# Altium PCB RV901-cnc-flipped.PcbDoc (part 3 of 4)
Units mil, origin at the board's own origin, x right, y up, seen from the top; angles counter-clockwise.
Board outline 5760 x 3629.92 mil, 4 copper layers (Top Layer, Layer 1, Layer 2, Bottom Layer), stack 72.18 mil thick; 387 components, 259 nets, 1192 pads, 558 vias.
Unrouted connection lines stored in the file: 53.
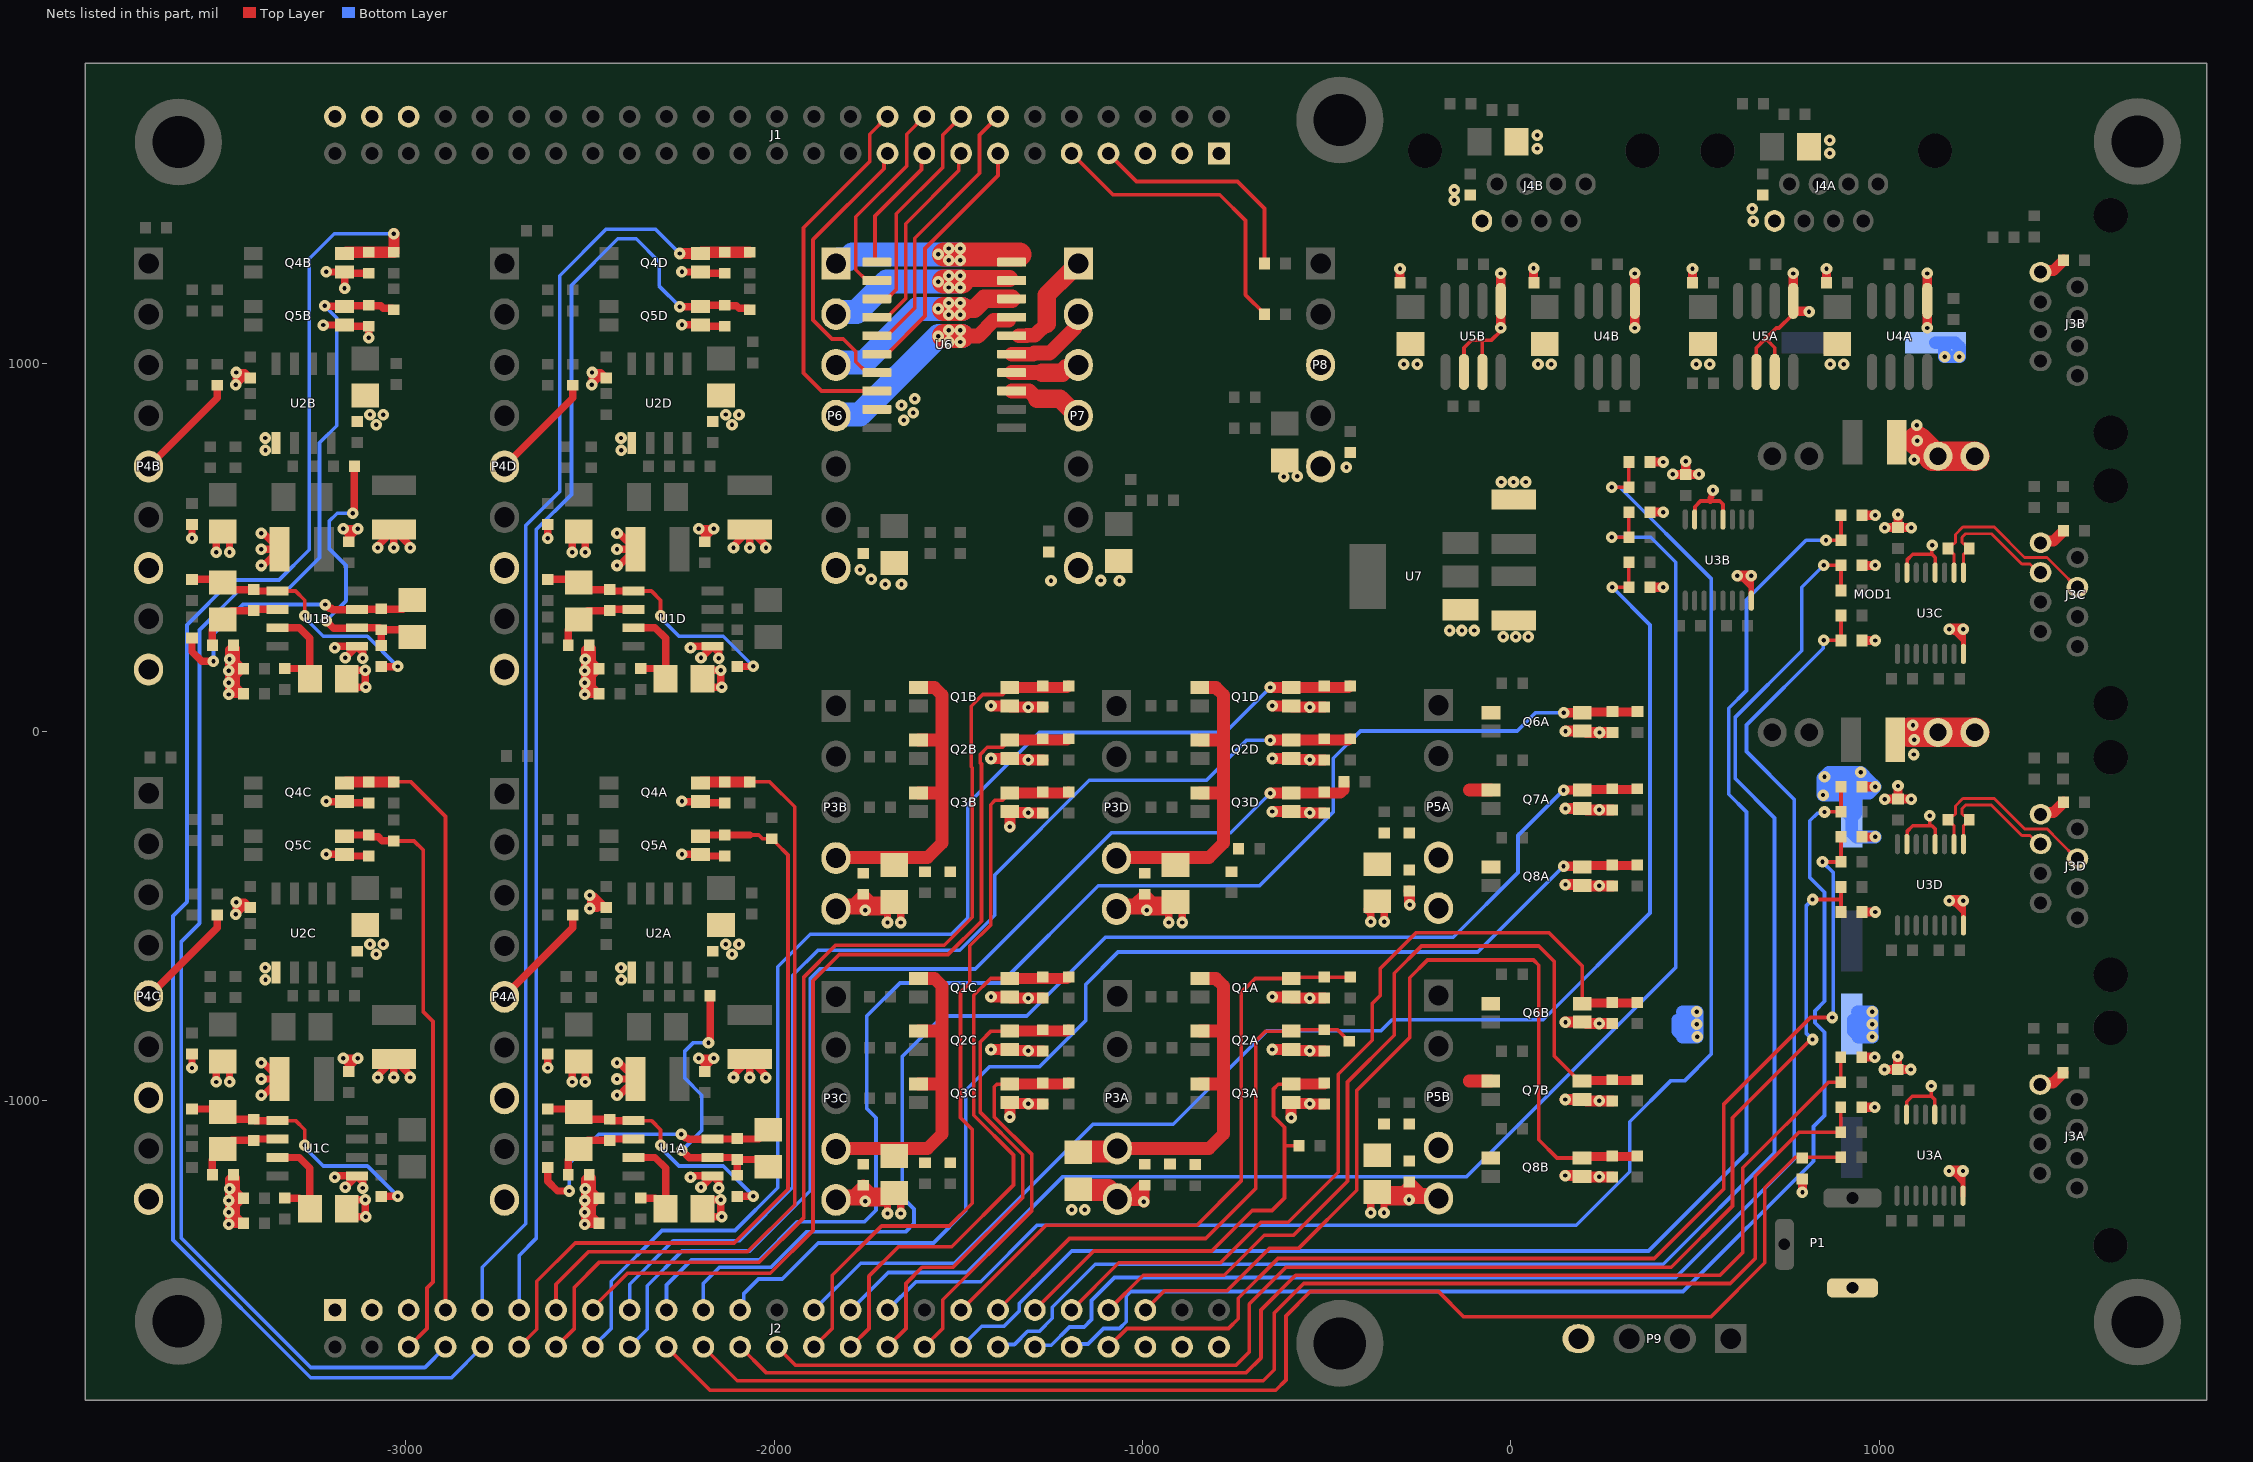
[diagram p5: the nets of this part, all layers, seen from the top]

## Via types
v1: diameter 31.5, hole 11.81, Top Layer to Bottom Layer, tented both sides, 558 vias

## Nets (pads, with @x,y where several pads share a name; then routed paths per layer and width w, separated by ;. In a path a pad name is that pad's centre, name@x,y a point inside that pad or via, vN(x,y) a via of type N, cw(c..) or ccw(c..) an arc to the next point about the centre after c; other vN are vias at no path point) (continued)
ENC_3C_N: J3C.6 R35C.2 U3C.9 | length 373.8
  Top Layer w8: U3C.9@1228.95,431.73 1228.95,481.75 R35C.2@1244.7,497.5 1244.7,498.48 1233.94,509.24 1229.84,509.24 1225.16,513.93 1225.16,527.81 1234.84,537.5 1305.39,537.5 1387.61,455.27 1409.86,455.27 1432.61,432.51 J3C.6@1438.39,432.51
ENC_3C_P: J3C.5 R35C.1 U3C.10 | length 527.8
  Top Layer w8: U3C.10@1203.36,431.73 1203.36,481.75 R35C.1@1187.61,497.5 1187.61,498.48 1198.38,509.24 1202.47,509.24 1207.16,513.93 1207.16,535.27 1227.39,555.5 1312.84,555.5 1395.07,473.27 1455.54,473.27 1488.29,440.53 ; 1488.29,440.49 1536.42,392.35 J3C.5@1538.39,392.35
ENC_3D_N: J3D.6 R35D.2 U3D.9 | length 373.8
  Top Layer w8: U3D.9@1228.95,-305.27 1228.95,-255.25 R35D.2@1244.7,-239.5 1244.7,-238.52 1233.94,-227.76 1229.84,-227.76 1225.16,-223.07 1225.16,-209.19 1234.84,-199.5 1305.39,-199.5 1387.61,-281.73 1409.86,-281.73 1432.61,-304.49 J3D.6@1438.39,-304.49
ENC_3D_P: J3D.5 R35D.1 U3D.10 | length 527.8
  Top Layer w8: U3D.10@1203.36,-305.27 1203.36,-255.25 R35D.1@1187.61,-239.5 1187.61,-238.52 1198.38,-227.76 1202.47,-227.76 1207.16,-223.07 1207.16,-201.73 1227.39,-181.5 1312.84,-181.5 1395.07,-263.73 1455.54,-263.73 1488.29,-296.47 ; 1488.29,-296.51 1536.42,-344.65 J3D.5@1538.39,-344.65
ERR_BA: P4A.5 R29A.1 | length 297.6
  Top Layer w20: P4A.5@-2732.09,-717.91 -2546.09,-531.91 R29A.1@-2546.09,-497.36
ERR_BB: P4B.5 R29B.1 | length 297.6
  Top Layer w20: P4B.5@-3698.06,720.09 -3512.06,906.09 R29B.1@-3512.06,940.64
ERR_BC: P4C.5 R29C.1 | length 297.6
  Top Layer w20: P4C.5@-3698.06,-717.91 -3512.06,-531.91 R29C.1@-3512.06,-497.36
ERR_BD: P4D.5 R29D.1 | length 297.6
  Top Layer w20: P4D.5@-2732.09,720.09 -2546.09,906.09 R29D.1@-2546.09,940.64
ESTOP_VCCA: C2A.1 C3A.1 P3A.4 Q1A.1 Q2A.1 Q3A.1 R10A.2 R11A.1 | length 1019
  Top Layer w35: P3A.4@-1068.06,-1131.39 -819.45,-1131.39 -780.06,-1092 -780.06,-956 ; Q3A.1@-844.06,-956.82 -780.88,-956.82 -780.06,-956 ; Q2A.1@-844.06,-812.82 -784.88,-812.82 -780.06,-808 ; Q1A.1@-844.08,-669.82 -843.86,-670.04 -800.57,-670.04 -780.06,-690.54 -780.06,-808 ; -780.06,-956 -780.06,-808
  Top Layer w60: C3A.1@-1174.06,-1141.8 -1171.58,-1139.32 -1077.13,-1139.32 -1069.2,-1131.39 P3A.4@-1068.06,-1131.39
ESTOP_VCCB: C2B.1 C3B.1 P3B.4 Q1B.1 Q2B.1 Q3B.1 R10B.2 R11B.1 | length 908.7
  Top Layer w35: P3B.4@-1832.09,-341.39 -1583.48,-341.39 -1544.09,-302 -1544.09,-166 ; Q1B.1@-1608.11,120.18 -1607.89,119.96 -1564.6,119.96 -1544.09,99.46 -1544.09,-18 ; Q3B.1@-1608.09,-166.82 -1544.91,-166.82 -1544.09,-166 ; Q2B.1@-1608.09,-22.82 -1548.91,-22.82 -1544.09,-18 ; -1544.09,-166 -1544.09,-18
ESTOP_VCCC: C2C.1 C3C.1 P3C.4 Q1C.1 Q2C.1 Q3C.1 R10C.2 R11C.1 | length 908.7
  Top Layer w35: P3C.4@-1832.09,-1131.39 -1583.48,-1131.39 -1544.09,-1092 -1544.09,-956 ; Q1C.1@-1608.11,-669.82 -1607.89,-670.04 -1564.6,-670.04 -1544.09,-690.54 -1544.09,-808 ; Q3C.1@-1608.09,-956.82 -1544.91,-956.82 -1544.09,-956 ; Q2C.1@-1608.09,-812.82 -1548.91,-812.82 -1544.09,-808 ; -1544.09,-956 -1544.09,-808
ESTOP_VCCD: C2D.1 C3D.1 P3D.4 Q1D.1 Q2D.1 Q3D.1 R10D.2 R11D.1 | length 908.7
  Top Layer w35: P3D.4@-1068.09,-341.39 -819.48,-341.39 -780.09,-302 -780.09,-166 ; Q1D.1@-844.11,120.18 -843.89,119.96 -800.6,119.96 -780.09,99.46 -780.09,-18 ; Q3D.1@-844.09,-166.82 -780.91,-166.82 -780.09,-166 ; Q2D.1@-844.09,-22.82 -784.91,-22.82 -780.09,-18 ; -780.09,-166 -780.09,-18
GND: C1A.2 C1B.2 C1C.2 C1D.2 C2A.2 C2B.2 C2C.2 C2D.2 C3A.2 C3B.2 C3C.2 C3D.2 C4A.2 C4B.2 C4C.2 C4D.2 C5A.2 C5B.2 C5C.2 C5D.2 C6A.2 C6B.2 C6C.2 C6D.2 C9A.2 C9B.2 C9C.2 C9D.2 C10A.2 C10B.2 C10C.2 C10D.2 C11A.2 C11B.2 C11C.2 C11D.2 C12A.2 C12B.2 C12C.2 C12D.2 C13A.2 C13B.2 C13C.2 C13D.2 C15A.2 C15B.2 C15C.2 C15D.2 C16A.2 C16B.2 C16C.2 C16D.2 C17A.2 C17B.2 C17C.2 C17D.2 C18A.2 C18B.2 C18C.2 C18D.2 C19A.2 C19B.2 C19C.2 C19D.2 C20A.2 C20B.2 C20C.2 C20D.2 C21A.2 C21B.2 C21C.2 C21D.2 C22A.2 C22B.2 C22C.2 C22D.2 C23A.2 C23B.2 C24A.2 C24B.2 C25A.2 C25B.2 C26A.2 C26B.2 C27A.2 C27B.2 C28A.2 C28B.2 C29A.2 C29B.2 C30A.2 C30B.2 C31A.2 C31B.2 C32A.2 C32B.2 C33A.2 C33B.2 C34.2 C35.2 C36.2 C37.2 C38.2 C39.2 C40.2 C41.2 C42.2 C43.2 C44.2 C45.2 C46.2 J1.1 J1.3 J1.5 J1.46 J1.48 J1.50 J2.1 J2.3 J2.5 J2.46 J2.48 J2.50 J3A.8 J3B.8 J3C.8 J3D.8 J4A.8 J4B.8 MOD1.3 MOD1.4 MOD1.7 MOD1.8 P1.2 P3A.5 P3B.5 P3C.5 P3D.5 P4A.7 P4A.9 P4B.7 P4B.9 P4C.7 P4C.9 P4D.7 P4D.9 P5A.5 P5B.5 P6.7 P7.7 P8.3 P8.5 P9.4 Q1A.3 Q1B.3 Q1C.3 Q1D.3 Q2A.3 Q2B.3 Q2C.3 Q2D.3 Q3A.3 Q3B.3 Q3C.3 Q3D.3 Q4A.3 Q4B.3 Q4C.3 Q4D.3 Q5A.3 Q5B.3 Q5C.3 Q5D.3 Q6A.3 Q6B.3 Q7A.3 Q7B.3 Q8A.3 Q8B.3 R17A.2 R17B.2 R17C.2 R17D.2 R23A.2 R23B.2 R23C.2 R23D.2 R36A.1 R36B.1 R36C.1 R36D.1 R37A.1 R37B.1 R37C.1 R37D.1 R38A.1 R38B.1 R38C.1 R38D.1 U1A.5 U1B.5 U1C.5 U1D.5 U2A.5 U2B.5 U2C.5 U2D.5 U3A.8 U3A.12 U3A.15 U3B.8 U3B.12 U3B.15 U3C.8 U3C.12 U3C.15 U3D.8 U3D.12 U3D.15 U4A.5 U4B.5 U5A.2 U5A.3 U5A.5 U5B.2 U5B.3 U5B.5 U6.9 U7.1 | length 18500.6
  Top Layer w10: U5B.2@-127.09,976.72 -127.09,1042.18 -106.09,1063.18 -76.09,1063.18 ; U5B.3@-77.09,976.72 -77.09,1062.18 -76.09,1063.18 ; U5B.5@-27.09,1169.64 -27.09,1088.18 -52.09,1063.18 -76.09,1063.18 ; U3B.15@499.38,576.37 500.1,577.09 500.1,610.88 515.35,626.13 541.35,626.13 567.35,626.13 576.15,617.34 U3B.12@576.15,576.37 ; v1@545.08,651.89 v1(549.19,656) ; U5A.2@666.91,976.72 666.91,1042.18 687.91,1063.18 ; U5A.3@716.91,976.72 716.91,1042.47 696.19,1063.18 687.91,1063.18 ; U5A.5@764.72,1136.78 764.72,1132.02 728.53,1095.83 720.55,1095.83 687.91,1063.18 ; U3A.15@1074.41,-1039.27 1075.13,-1038.54 1075.13,-1004.76 1090.39,-989.5 1142.39,-989.5 1151.18,-998.3 U3A.12@1151.18,-1039.27 ; U3D.15@1075.41,-305.27 1076.13,-304.54 1076.13,-270.76 1091.39,-255.5 1143.39,-255.5 1152.18,-264.3 U3D.12@1152.18,-305.27 ; U3C.15@1075.41,431.73 1076.13,432.46 1076.13,466.24 1091.39,481.5 1143.39,481.5 ; 1137.94,-255.5 v1(1137.94,-228) ; 1141.94,-989.5 v1(1141.94,-962) ; v1(1143.94,506) 1143.39,505.45 1143.39,481.5 ; U3C.12@1152.18,431.73 1152.18,472.7 1143.39,481.5
  Top Layer w14: v1@619.36,423.02 v1(614.95,423.02) 619.69,423.02 628.24,414.46 630.37,414.46 652.92,391.9 ; U3B.8@652.92,355.9 652.92,391.9 ; v1(652.92,423.02) 652.92,391.9 ; v1@1194.39,-1192.62 v1(1189.98,-1192.62) 1194.72,-1192.62 1203.28,-1201.18 1205.4,-1201.18 1227.95,-1223.73 ; v1@1195.39,-458.62 v1(1190.98,-458.62) 1195.72,-458.62 1204.28,-467.18 1206.4,-467.18 1228.95,-489.73 ; v1@1195.39,278.38 v1(1190.98,278.38) 1195.72,278.38 1204.28,269.82 1206.4,269.82 1228.95,247.27 ; U3A.8@1227.95,-1259.74 1227.95,-1223.73 ; v1(1227.95,-1192.62) 1227.95,-1223.73 ; U3D.8@1228.95,-525.74 1228.95,-489.73 ; v1(1228.95,-458.62) 1228.95,-489.73 ; U3C.8@1228.95,211.26 1228.95,247.27 ; v1(1228.95,278.38) 1228.95,247.27
  Top Layer w15: 541.35,626.13 541.35,634.42 545.08,638.14 v1@545.08,651.89
  Top Layer w20: v1(-3580.28,-912.82) C17C.2@-3580.28,-875.36 ; v1(-3580.28,525.18) C17B.2@-3580.28,562.64 ; v1(-3514.28,-950.82) -3514.28,-913.02 C18C.2@-3496.28,-895.02 -3478.28,-913.02 v1(-3478.28,-950.82) ; v1(-3514.28,487.18) -3514.28,524.98 C18B.2@-3496.28,542.98 -3478.28,524.98 v1(-3478.28,487.18) ; v1(-3461.22,-495.65) v1@-3460.06,-494.5 ; v1(-3461.22,942.35) v1@-3460.06,943.5 ; v1(-3392.28,-986.82) -3386.28,-986.82 C15C.2@-3342.28,-942.82 ; v1(-3392.28,-942.82) C15C.2@-3342.28,-942.82 ; v1(-3392.28,-898.82) -3386.28,-898.82 C15C.2@-3342.28,-942.82 ; v1(-3392.28,451.18) -3386.28,451.18 C15B.2@-3342.28,495.18 ; v1(-3392.28,495.18) C15B.2@-3342.28,495.18 ; v1(-3392.28,539.18) -3386.28,539.18 C15B.2@-3342.28,495.18 ; v1(-3224.06,1104) -3223.97,1104.09 -3166.14,1104.09 Q5B.3@-3166.05,1104.18 -3162.5,1100.64 C20B.2@-3100.06,1100.64 v1(-3100.06,1069.41) -3100.06,1068 v1@-3102.06,1066 ; v1(-3216.06,-332.82) -3167.05,-332.82 Q5C.3@-3166.05,-333.82 -3162.5,-337.36 C20C.2@-3100.06,-337.36 ; v1(-3216.06,-188.82) -3215.06,-189.82 Q4C.3@-3166.05,-189.82 -3162.5,-193.36 C19C.2@-3100.06,-193.36 ; v1(-3216.06,1249.18) -3215.06,1248.18 Q4B.3@-3166.05,1248.18 ; v1(-3192.86,-1210.03) -3192.86,-1209.4 -3189.28,-1205.82 U1C.5@-3132.78,-1205.82 ; v1(-3192.86,227.97) -3192.86,228.6 -3189.28,232.18 U1B.5@-3132.78,232.18 ; v1@-3170.06,1200 v1(-3166.05,1204.02) Q4B.3@-3166.05,1248.18 ; v1(-3164.28,-1236.82) -3163.78,-1236.82 U1C.5@-3132.78,-1205.82 ; v1(-3164.28,201.18) -3163.78,201.18 U1B.5@-3132.78,232.18 ; C10C.2@-3154.28,-922.28 C10C.2@-3154.28,-911.04 ; C10B.2@-3154.28,515.72 C10B.2@-3154.28,526.96 ; v1(-3116.28,-1238.82) -3116.28,-1222.32 U1C.5@-3132.78,-1205.82 ; v1(-3116.28,199.18) -3116.28,215.68 U1B.5@-3132.78,232.18 ; C19B.2@-3100.06,1244.64 -3162.5,1244.64 Q4B.3@-3166.05,1248.18 ; v1(-3076.06,-938.82) -3076.06,-932.82 C16C.2@-3032.06,-888.82 ; v1(-3076.06,499.18) -3076.06,505.18 C16B.2@-3032.06,549.18 ; v1(-3032.06,-938.82) C16C.2@-3032.06,-888.82 ; v1(-3032.06,499.18) C16B.2@-3032.06,549.18 ; v1(-2988.06,-938.82) -2988.06,-932.82 C16C.2@-3032.06,-888.82 ; v1(-2988.06,499.18) -2988.06,505.18 C16B.2@-3032.06,549.18 ; v1(-2614.31,-912.82) C17A.2@-2614.31,-875.36 ; v1(-2614.31,525.18) C17D.2@-2614.31,562.64 ; v1(-2548.31,-950.82) -2548.31,-913.02 C18A.2@-2530.31,-895.02 -2512.31,-913.02 v1(-2512.31,-950.82) ; v1(-2548.31,487.18) -2548.31,524.98 C18D.2@-2530.31,542.98 -2512.31,524.98 v1(-2512.31,487.18) ; v1(-2500.06,-444) -2500.06,-447.11 -2476.96,-470.21 -2476.96,-477.36 ; v1@-2497.86,-446.2 -2488.24,-446.2 -2461.84,-472.6 -2460.86,-472.6 C12A.2@-2456.09,-477.36 -2476.96,-477.36 ; v1(-2495.25,942.35) v1@-2494.09,943.5 ; v1@-2493.64,-450.43 -2497.86,-454.65 -2497.86,-477.8 v1(-2500.06,-480) -2479.6,-480 -2476.96,-477.36 ; v1(-2426.31,-986.82) -2420.31,-986.82 C15A.2@-2376.31,-942.82 ; v1(-2426.31,-942.82) C15A.2@-2376.31,-942.82 ; v1(-2426.31,-898.82) -2420.31,-898.82 C15A.2@-2376.31,-942.82 ; v1(-2426.31,451.18) -2420.31,451.18 C15D.2@-2376.31,495.18 ; v1(-2426.31,495.18) C15D.2@-2376.31,495.18 ; v1(-2426.31,539.18) -2420.31,539.18 C15D.2@-2376.31,495.18 ; v1(-2250.09,-332.82) -2201.08,-332.82 Q5A.3@-2200.08,-333.82 -2196.54,-337.36 C20A.2@-2134.09,-337.36 ; v1(-2250.09,-188.82) -2249.09,-189.82 Q4A.3@-2200.08,-189.82 -2196.54,-193.36 C19A.2@-2134.09,-193.36 ; v1(-2250.09,1105.18) -2201.08,1105.18 Q5D.3@-2200.08,1104.18 -2196.54,1100.64 C20D.2@-2134.09,1100.64 ; v1(-2250.09,1249.18) -2249.09,1248.18 Q4D.3@-2200.08,1248.18 -2196.54,1244.64 C19D.2@-2134.09,1244.64 ; v1(-2226.89,-1210.03) -2226.89,-1209.4 -2223.31,-1205.82 U1A.5@-2166.81,-1205.82 ; v1(-2226.89,227.97) -2226.89,228.6 -2223.31,232.18 U1D.5@-2166.81,232.18 ; v1(-2198.31,-1236.82) -2197.81,-1236.82 U1A.5@-2166.81,-1205.82 ; v1(-2198.31,201.18) -2197.81,201.18 U1D.5@-2166.81,232.18 ; C10A.2@-2188.31,-922.28 C10A.2@-2188.31,-911.04 ; C10D.2@-2188.31,515.72 C10D.2@-2188.31,526.96 ; v1(-2150.31,-1238.82) -2150.31,-1222.32 U1A.5@-2166.81,-1205.82 ; v1(-2150.31,199.18) -2150.31,215.68 U1D.5@-2166.81,232.18 ; v1(-2110.09,-938.82) -2110.09,-932.82 C16A.2@-2066.09,-888.82 ; v1(-2110.09,499.18) -2110.09,505.18 C16D.2@-2066.09,549.18 ; v1(-2066.09,-938.82) C16A.2@-2066.09,-888.82 ; v1(-2066.09,499.18) C16D.2@-2066.09,549.18 ; v1(-2022.13,-939.64) v1@-2022.13,-933.64 ; v1@-2022.09,-932.82 C16A.2@-2066.09,-888.82 ; v1@-2022.09,505.18 C16D.2@-2066.09,549.18 ; v1(-1692.09,-1308) -1692.09,-1270.2 C3C.2@-1674.09,-1252.2 -1656.09,-1270.2 v1(-1656.09,-1308) ; v1(-1692.09,-518) -1692.09,-480.2 C3B.2@-1674.09,-462.2 -1656.09,-480.2 v1(-1656.09,-518) ; v1(-928.09,-518) -928.09,-480.2 C3D.2@-910.09,-462.2 -892.09,-480.2 v1(-892.09,-518) ; v1(-380.06,-1306) -380.06,-1268.2 C30B.2@-362.06,-1250.2 -344.06,-1268.2 v1(-344.06,-1306) ; v1(-379.81,-516) -379.81,-478.2 C30A.2@-361.81,-460.2 -343.81,-478.2 v1(-343.81,-516) ; v1(-3480.28,-1304.82) v1(-3480.28,-1336.82) -3442.83,-1336.82 R23C.2@-3440.83,-1334.82 ; v1(-3480.28,-1304.82) v1(-3480.28,-1272.82) v1@-3480.28,-1242.82 ; v1(-3480.28,-1304.82) -3478.83,-1304.82 -3459.83,-1285.82 ; v1(-3480.28,-1304.82) -3450.28,-1334.82 R23C.2@-3440.83,-1334.82 ; v1@-3480.28,-1242.82 v1(-3478.28,-1240.82) -3459.83,-1259.28 ; v1@-3480.28,-1242.82 -3480.28,-1215.36 R17C.2@-3467.74,-1202.82 ; v1(-3480.28,133.18) v1(-3480.28,165.18) v1@-3480.28,195.18 ; v1(-3480.28,133.18) -3478.83,133.18 -3459.83,152.18 ; v1(-3480.28,133.18) v1(-3480.28,101.18) -3442.83,101.18 R23B.2@-3440.83,103.18 ; v1(-3480.28,133.18) -3450.28,103.18 R23B.2@-3440.83,103.18 ; v1@-3480.28,195.18 -3480.28,222.64 R17B.2@-3467.74,235.18 ; v1@-3480.28,195.18 v1(-3478.28,197.18) -3459.83,178.72 ; R17C.2@-3467.74,-1202.82 -3459.83,-1210.73 -3459.83,-1247.82 ; R17C.2@-3467.74,-1202.82 -3467.74,-1239.91 -3459.83,-1247.82 ; R17B.2@-3467.74,235.18 -3467.74,198.09 -3459.83,190.18 ; R17B.2@-3467.74,235.18 -3459.83,227.27 -3459.83,190.18 ; v1@-3460.06,-494.5 v1(-3460.06,-462.82) ; v1@-3460.06,-494.5 -3442.93,-477.36 ; v1(-3460.06,-462.82) -3445.52,-477.36 -3442.93,-477.36 ; v1(-3460.06,-462.82) -3436.61,-462.82 C12C.2@-3422.06,-477.36 -3442.93,-477.36 ; v1@-3460.06,943.5 v1(-3460.06,975.18) ; v1@-3460.06,943.5 -3442.93,960.64 ; v1(-3460.06,975.18) -3445.52,960.64 -3442.93,960.64 ; v1(-3460.06,975.18) -3436.61,975.18 C12B.2@-3422.06,960.64 -3442.93,960.64 ; -3459.83,-1285.82 C13C.2@-3440.83,-1266.82 -3459.83,-1247.82 ; -3459.83,-1285.82 -3459.83,-1315.82 R23C.2@-3440.83,-1334.82 ; -3459.83,-1285.82 -3459.83,-1259.28 ; -3459.83,-1259.28 -3459.83,-1247.82 ; -3459.83,152.18 -3459.83,178.72 ; -3459.83,152.18 C13B.2@-3440.83,171.18 -3459.83,190.18 ; -3459.83,152.18 -3459.83,122.18 R23B.2@-3440.83,103.18 ; -3459.83,178.72 -3459.83,190.18 ; C10C.2@-3154.28,-911.04 v1(-3130.06,-886.82) v1(-3170.06,-886.82) -3154.28,-902.6 C10C.2@-3154.28,-911.04 ; C10B.2@-3154.28,526.96 -3154.28,535.4 v1(-3170.06,551.18) v1(-3130.06,551.18) C10B.2@-3154.28,526.96 ; v1(-2514.31,-1304.82) v1(-2514.31,-1336.82) -2476.86,-1336.82 R23A.2@-2474.86,-1334.82 ; v1(-2514.31,-1304.82) v1(-2514.31,-1272.82) v1@-2514.31,-1242.82 ; v1(-2514.31,-1304.82) -2512.86,-1304.82 -2493.86,-1285.82 ; v1(-2514.31,-1304.82) -2484.31,-1334.82 R23A.2@-2474.86,-1334.82 ; v1@-2514.31,-1242.82 -2514.31,-1215.36 R17A.2@-2501.77,-1202.82 ; v1@-2514.31,-1242.82 v1(-2512.31,-1240.82) -2493.86,-1259.28 ; v1(-2514.31,133.18) -2484.31,103.18 R23D.2@-2474.86,103.18 ; v1(-2514.31,133.18) v1(-2514.31,101.18) -2476.86,101.18 R23D.2@-2474.86,103.18 ; v1(-2514.31,133.18) -2512.86,133.18 -2493.86,152.18 ; v1(-2514.31,133.18) v1(-2514.31,165.18) v1@-2514.31,195.18 ; v1@-2514.31,195.18 -2514.31,222.64 R17D.2@-2501.77,235.18 ; v1@-2514.31,195.18 v1(-2512.31,197.18) -2493.86,178.72 ; R17A.2@-2501.77,-1202.82 -2501.77,-1239.91 -2493.86,-1247.82 ; R17A.2@-2501.77,-1202.82 -2493.86,-1210.73 -2493.86,-1247.82 ; R17D.2@-2501.77,235.18 -2493.86,227.27 -2493.86,190.18 ; R17D.2@-2501.77,235.18 -2501.77,198.09 -2493.86,190.18 ; v1@-2494.09,943.5 v1(-2494.09,975.18) ; v1@-2494.09,943.5 -2476.96,960.64 ; v1(-2494.09,975.18) -2479.55,960.64 -2476.96,960.64 ; v1(-2494.09,975.18) -2470.64,975.18 C12D.2@-2456.09,960.64 -2476.96,960.64 ; -2493.86,-1285.82 -2493.86,-1259.28 ; -2493.86,-1285.82 C13A.2@-2474.86,-1266.82 -2493.86,-1247.82 ; -2493.86,-1285.82 -2493.86,-1315.82 R23A.2@-2474.86,-1334.82 ; -2493.86,-1259.28 -2493.86,-1247.82 ; -2493.86,152.18 -2493.86,178.72 ; -2493.86,152.18 -2493.86,122.18 R23D.2@-2474.86,103.18 ; -2493.86,152.18 C13D.2@-2474.86,171.18 -2493.86,190.18 ; -2493.86,178.72 -2493.86,190.18 ; C10A.2@-2188.31,-911.04 -2188.31,-902.6 v1(-2204.09,-886.82) v1(-2164.09,-886.82) C10A.2@-2188.31,-911.04 ; C10D.2@-2188.31,526.96 -2188.31,535.4 v1(-2204.09,551.18) v1(-2164.09,551.18) C10D.2@-2188.31,526.96 ; C6C.2@-3160.09,-1294.82 -3138.09,-1316.82 v1(-3108.28,-1316.82) -3110.28,-1314.82 v1(-3110.28,-1270.82) -3136.09,-1270.82 C6C.2@-3160.09,-1294.82 ; C6B.2@-3160.09,143.18 -3138.09,121.18 v1(-3108.28,121.18) -3110.28,123.18 v1(-3110.28,167.18) -3136.09,167.18 C6B.2@-3160.09,143.18 ; C6A.2@-2194.12,-1294.82 -2172.12,-1316.82 v1(-2142.31,-1316.82) -2144.31,-1314.82 v1(-2144.31,-1270.82) -2170.12,-1270.82 C6A.2@-2194.12,-1294.82 ; C6D.2@-2194.12,143.18 -2170.12,167.18 v1(-2144.31,167.18) -2144.31,123.18 v1(-2142.31,121.18) -2172.12,121.18 C6D.2@-2194.12,143.18
  Top Layer w25: C28B.2@-300.64,1219.18 v1(-300.64,1256.57) ; v1(-27.09,1096.18) U5B.5@-27.09,1169.64 v1(-27.09,1244.18) ; v1(61.94,1258) 61.94,1220.61 C24B.2@63.36,1219.18 ; v1(336.91,1096.18) U4B.5@336.91,1169.64 v1(336.91,1244.18) ; R36B.1@377.87,392.13 v1(413.61,392.13) ; R37B.1@377.87,596.13 v1(413.61,596.13) ; R38B.1@377.87,732.13 v1(413.61,732.13) ; v1(439.61,698.68) C22B.2@475.35,698.68 ; v1(475.35,734.42) C22B.2@475.35,698.68 ; C28A.2@493.36,1219.18 v1(493.36,1256.57) ; v1(511.09,698.68) C22B.2@475.35,698.68 ; v1(766.91,1244.18) 766.91,1142.43 768.09,1141.24 808.69,1141.24 v1(809.94,1140) ; v1(791.94,-1250.28) R36A.1@791.94,-1214.54 ; C24A.2@857.36,1219.18 v1(857.36,1256.57) ; R37A.1@952.9,-1019.5 v1(988.64,-1019.5) ; R38A.1@952.9,-883.5 v1(988.64,-883.5) ; R36D.1@953.9,-489.5 v1(989.64,-489.5) ; R37D.1@953.9,-285.5 v1(989.64,-285.5) ; R38D.1@953.9,-149.5 v1(989.64,-149.5) ; R36C.1@953.9,247.5 v1(989.64,247.5) ; R37C.1@953.9,451.5 v1(989.64,451.5) ; R38C.1@953.9,587.5 v1(989.64,587.5) ; v1(1014.65,-916.96) C22A.2@1050.39,-916.96 ; v1(1015.65,-182.96) C22D.2@1051.39,-182.96 ; v1(1015.65,554.04) C22C.2@1051.39,554.04 ; v1(1050.39,-881.22) C22A.2@1050.39,-916.96 ; v1(1051.39,-147.22) C22D.2@1051.39,-182.96 ; v1(1051.39,589.78) C22C.2@1051.39,554.04 ; v1(1086.13,-916.96) C22A.2@1050.39,-916.96 ; v1(1087.13,-182.96) C22D.2@1051.39,-182.96 ; v1(1087.13,554.04) C22C.2@1051.39,554.04 ; v1(1130.91,1096.18) U4A.5@1130.91,1169.64 v1(1130.91,1244.18)
  Top Layer w30: C3C.2@-1692.09,-1270.2 -1696.43,-1274.53 -1751.81,-1274.53 v1(-1752.09,-1274.82) ; C3B.2@-1692.09,-480.2 -1696.43,-484.53 -1751.81,-484.53 v1(-1752.09,-484.82) ; C3C.2@-1674.09,-1252.2 -1736.75,-1252.2 C2C.2@-1757.35,-1231.6 ; C3B.2@-1674.09,-462.2 -1736.75,-462.2 C2B.2@-1757.35,-441.6 ; v1(-1411.08,-862.82) Q2C.3@-1360.06,-862.82 -1357.35,-865.54 -1310.77,-865.54 -1309.94,-866.36 v1(-1309.54,-866.36) C4C.2@-1270.08,-866.36 ; v1(-1411.09,-719.82) Q1C.3@-1360.08,-719.82 -1357.36,-722.54 -1310.78,-722.54 -1309.96,-723.36 v1(-1309.55,-723.36) C1C.2@-1270.09,-723.36 ; v1(-1411.08,-72.82) Q2B.3@-1360.06,-72.82 -1357.35,-75.54 -1310.77,-75.54 -1309.94,-76.36 v1(-1309.54,-76.36) C4B.2@-1270.08,-76.36 ; v1(-1411.09,70.18) Q1B.3@-1360.08,70.18 -1357.36,67.46 -1310.78,67.46 -1309.96,66.64 v1(-1309.55,66.64) C1B.2@-1270.09,66.64 ; v1(-1360.06,-1046) Q3C.3@-1360.06,-1006.82 -1357.35,-1009.54 -1310.77,-1009.54 -1309.94,-1010.36 v1(-1309.54,-1010.36) C5C.2@-1270.08,-1010.36 ; v1(-1360.06,-258) Q3B.3@-1360.06,-216.82 -1357.35,-219.54 -1310.77,-219.54 -1309.94,-220.36 v1(-1309.54,-220.36) C5B.2@-1270.08,-220.36 ; v1@-995.78,-1276.26 v1(-996.06,-1276.54) ; C3D.2@-928.09,-480.2 -932.43,-484.53 -987.81,-484.53 v1(-988.09,-484.82) ; C3D.2@-910.09,-462.2 -972.75,-462.2 C2D.2@-993.35,-441.6 ; v1(-647.06,-719.82) Q1A.3@-596.05,-719.82 -593.33,-722.54 -546.75,-722.54 -545.92,-723.36 v1(-545.52,-723.36) C1A.2@-506.06,-723.36 ; v1(-647.08,-216.82) Q3D.3@-596.06,-216.82 -593.35,-219.54 -546.77,-219.54 -545.94,-220.36 v1(-545.54,-220.36) C5D.2@-506.08,-220.36 ; v1(-647.08,-72.82) Q2D.3@-596.06,-72.82 -593.35,-75.54 -546.77,-75.54 -545.94,-76.36 v1(-545.54,-76.36) C4D.2@-506.08,-76.36 ; v1(-647.09,70.18) Q1D.3@-596.08,70.18 -593.36,67.46 -546.78,67.46 -545.96,66.64 v1(-545.55,66.64) C1D.2@-506.09,66.64 ; v1(-647.05,-862.82) Q2A.3@-596.03,-862.82 -593.31,-865.54 -546.74,-865.54 -545.91,-866.36 v1(-545.5,-866.36) C4A.2@-506.06,-866.36 ; v1(-596.06,-1048) -596.05,-1006.83 -593.31,-1009.54 -546.74,-1009.54 -545.91,-1010.36 v1(-545.5,-1010.36) C5A.2@-506.06,-1010.36 ; C30A.2@-384.15,-482.53 C30A.2@-379.81,-478.2 ; C30B.2@-354.06,-1248.47 -291.41,-1248.47 C29B.2@-270.81,-1227.87 ; C30B.2@-344.06,-1268.2 C30B.2@-339.73,-1272.53 ; C30B.2@-331.73,-1270.81 -276.35,-1270.81 v1(-276.06,-1271.09) ; C29A.2@-275.81,-432.54 -275.3,-432.54 -275.06,-432.78 -275.06,-468.6 -274.06,-469.6 v1(-274.06,-470) ; v1@147.72,-1204.46 v1(148.26,-1205) 201.61,-1205 205.15,-1208.54 v1(240.43,-1208.54) C33B.2@275.72,-1208.54 ; v1@147.72,-998 v1(148.26,-998.54) Q7B.3@193.73,-998.54 201.61,-998.54 205.15,-1002.09 v1(240.43,-1002.09) C32B.2@275.72,-1002.09 ; v1@147.94,-788 v1(148.48,-788.54) Q6B.3@193.95,-788.54 201.83,-788.54 205.37,-792.09 v1(240.65,-792.09) C31B.2@275.94,-792.09 ; v1@147.97,-414.46 v1(148.51,-415) 201.86,-415 205.4,-418.54 v1(240.69,-418.54) C33A.2@275.97,-418.54 ; v1@147.97,-208 v1(148.51,-208.54) Q7A.3@193.98,-208.54 201.86,-208.54 205.4,-212.09 v1(240.69,-212.09) C32A.2@275.97,-212.09 ; v1@148.19,2 v1(148.73,1.46) Q6A.3@194.2,1.46 202.08,1.46 205.62,-2.09 v1(240.91,-2.09) C31A.2@276.19,-2.09 ; v1@619.36,423.02 v1(652.92,423.02) ; v1@1194.39,-1192.62 v1(1227.95,-1192.62) ; v1@1195.39,-458.62 v1(1228.95,-458.62) ; v1@1195.39,278.38 v1(1228.95,278.38) ; J3A.8@1437.39,-958.17 1442.19,-953.37 1472.49,-953.37 1499.84,-926.02 C21A.2@1499.84,-925.5 ; J3D.8@1438.39,-224.17 1443.19,-219.37 1473.49,-219.37 1500.84,-192.02 C21D.2@1500.84,-191.5 ; J3C.8@1438.39,512.83 1443.19,517.63 1473.49,517.63 1500.84,544.98 C21C.2@1500.84,545.5 ; J3B.8@1438.35,1247.46 1443.16,1252.27 1473.46,1252.27 1500.81,1279.62 C21B.2@1500.81,1280.13 ; C2C.2@-1757.35,-1231.6 -1757.58,-1231.36 C2C.2@-1758.09,-1231.36 -1758.61,-1231.36 -1784.89,-1257.64 -1818.83,-1257.64 P3C.5@-1832.09,-1270.91 -1756.41,-1270.91 -1752.5,-1274.82 v1(-1752.09,-1274.82) ; C2C.2@-1757.35,-1231.6 -1757.35,-1232.11 -1752.38,-1237.08 -1752.38,-1274.53 v1(-1752.09,-1274.82) ; C2B.2@-1757.35,-441.6 -1757.58,-441.36 C2B.2@-1758.09,-441.36 -1758.61,-441.36 -1784.89,-467.64 -1818.83,-467.64 P3B.5@-1832.09,-480.91 -1756.41,-480.91 -1752.5,-484.82 v1(-1752.09,-484.82) ; C2B.2@-1757.35,-441.6 -1757.35,-442.11 -1752.38,-447.08 -1752.38,-484.53 v1(-1752.09,-484.82) ; v1(-996.06,-1276.54) -996.35,-1276.26 -996.35,-1238.8 -1001.31,-1233.84 -1001.31,-1233.32 -1001.55,-1233.09 -1002.57,-1233.09 -1028.86,-1259.37 -1062.8,-1259.37 -1070.34,-1266.91 -1070.91,-1267.47 -1076.06,-1272.63 -1000.38,-1272.63 -996.47,-1276.54 v1(-996.06,-1276.54) ; C2D.2@-993.35,-441.6 -993.58,-441.36 C2D.2@-994.09,-441.36 -994.61,-441.36 -1020.89,-467.64 -1054.83,-467.64 -1068.09,-480.91 -992.41,-480.91 -988.5,-484.82 v1(-988.09,-484.82) ; C2D.2@-993.35,-441.6 -993.35,-442.11 -988.38,-447.08 -988.38,-484.53 v1(-988.09,-484.82) ; v1(-276.06,-1271.09) -275.78,-1270.81 -275.78,-1233.35 -270.81,-1228.39 C29B.2@-270.81,-1227.87 ; v1(-276.06,-1271.09) -275.66,-1271.09 -271.75,-1267.18 P5B.5@-196.06,-1267.18 -209.33,-1253.92 -243.27,-1253.92 -269.55,-1227.64 -270.57,-1227.64 C29B.2@-270.81,-1227.87